# Allegro board T736_DEMO_DBOARD_V0-5-draft.brd (continued)
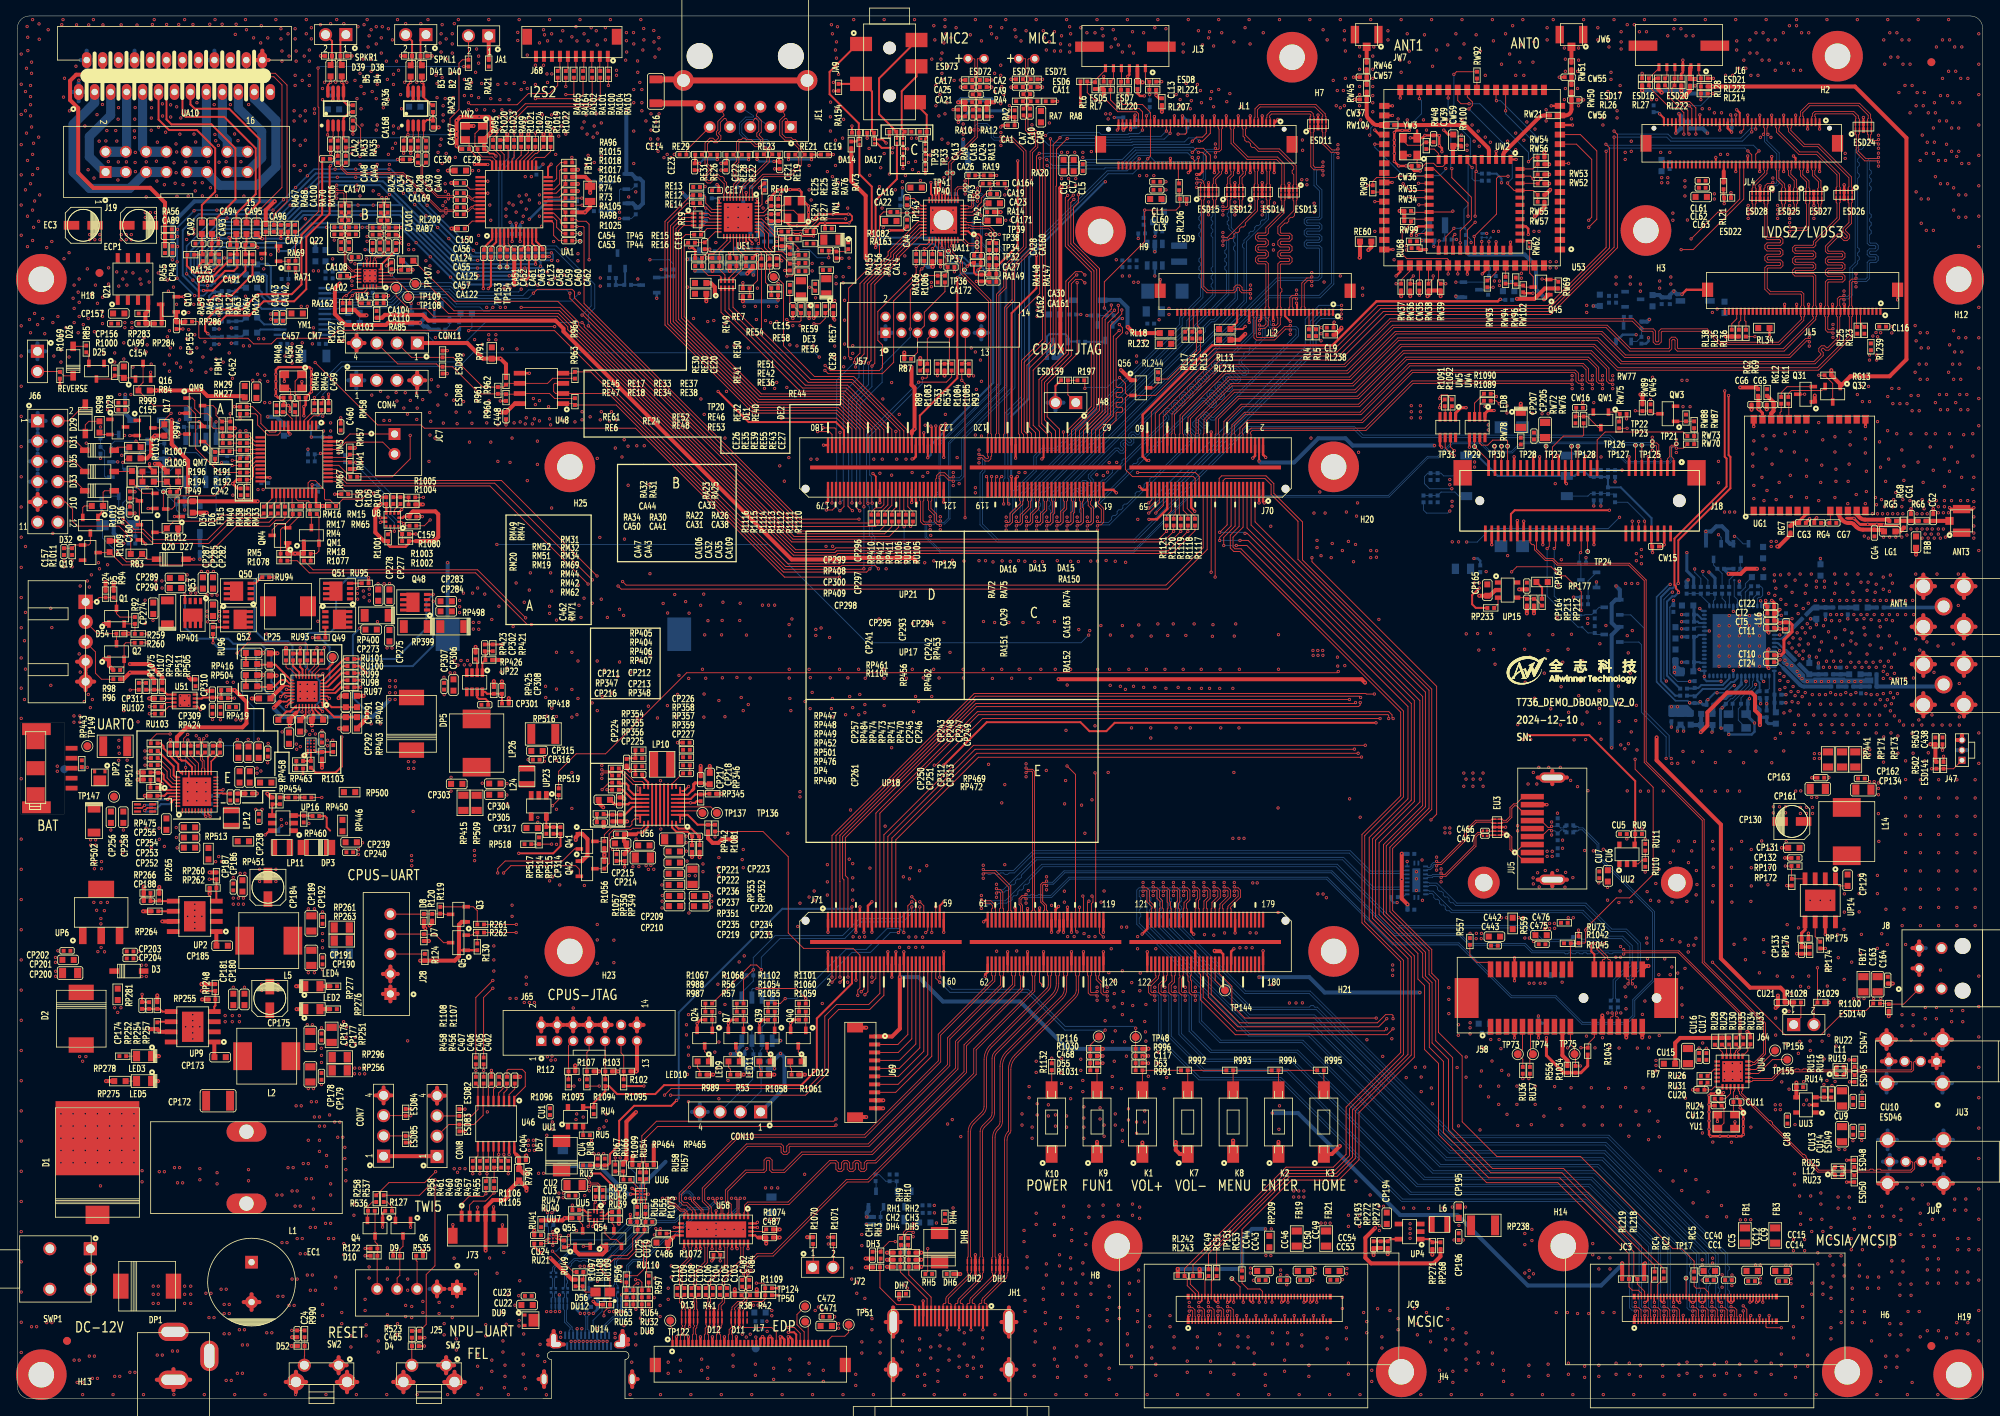
[diagram p0: board, top side]
## Nets (continued)
N19421372: CE14.1 JE1.9(VCC)
N19426609: K1.2 R991.2 R992.1
N19426617: K8.2 R993.2 R994.1
N19426627: K2.2 R994.2 R995.1
N19426637: K7.2 R992.2 R993.1
N19426641: K3.2 R995.2
N19458872: CA8.2 RA2.2 RA4.2
N19458897: CA8.1 RA7.2 RA8.2
N19459092: CA20.2 RA9.2 RA10.2
N19459118: CA20.1 RA12.2 RA13.2
N19462537: CA31.2 CA32.1 CA33.2 RA22.1 RA23.1
N19462549: CA41.2 CA43.1 CA44.2 RA30.1 RA31.1
N19462627: CA44.1 CA47.1 CA50.1 RA32.1 RA34.2
N19462788: CA33.1 CA35.1 CA38.1 RA25.1 RA26.2
N19487538: J58.A13(REFCLKP) R1035.2
N19487540: J58.A14(REFCLKN) R1036.2
N19487589: J58.B10(3.3VAUX) R556.1
N19487634: J58.A1(PRSNT1#) R557.2
N19571653: CA106.1 UA3.8(VREF)
N19681926: CA34.1 UA2.2(BYPASS)
N19681928: CA40.1 RA28.1
N19681938: CA167.1 RA28.2 RA29.1 UA2.4(IN-)
N19681971: CA39.1 CA169.1 RA27.1
N19681973: RA27.2 UA2.3(IN+)
N19682065: CA49.1 CA168.1 RA35.1
N19682067: CA42.1 UA4.2(BYPASS)
N19682069: RA35.2 RA36.1 UA4.4(IN-)
N19682113: RA33.2 UA4.3(IN+)
N19682135: CA48.1 CA170.1 RA33.1
N19682166: JA1.1 RA21.1
N19686641: B2.2 D40.2(CATHODE) SPKL1.1
N19686661: B3.2 D41.2(CATHODE) SPKL1.2
N19686663: B4.2 D38.2(CATHODE) SPKR1.1
N19686673: B5.2 D39.2(CATHODE) SPKR1.2
N19770024: C155.2 D28.3 Q17.1(B) R999.1
N19770563: C157.2 D32.3 Q19.1(B) R1011.1
N19771083: C154.2 D25.3 Q16.1(B) R1000.1
N19774875: D24.C D27.2 R83.1
N19774889: C153.1 D24.A Q15.1(B) R82.2
N19775361: C156.2 D30.3 Q18.1(B) R1008.1
N19775460: C160.2 D34.3 Q20.1(B) R106.1
N19779918: C405.2 U46.1(C1+)
N19779920: C405.1 U46.3(C1-)
N19779922: C406.2 U46.4(C2+)
N19779933: C407.2 U46.6(V-)
N19779951: C406.1 U46.5(C2-)
N19779972: C402.1 U46.2(V+)
N19779989: R459.1 U46.12(R1OUT)
N19779991: R460.1 U46.11(T1IN)
N19780033: R461.1 U46.10(T2IN)
N19780058: R958.1 U46.9(R2OUT)
N19825540: R1001.2 U8.11(PS)
N19825553: R104.2 R105.2 R1004.1 R1005.1
N19825554: R1002.2 R1003.2 U8.1(SDO)
N19829526: C457.2 RM50.1 YM1.3(XOUT)
N19831822: QM7.1(B) RM19.1 RM20.2
N20102372: CH6.1 QH4.1(G) RH20.1 RH22.2
N20102384: CH4.2 CH5.2 DH9.1 QH4.3(D) RH21.1
N20102505: QH5.3(C) RH22.1
N20201215: Q7.1(B) R56.2 R57.2
N20201255: LED9.2(C) Q7.3(C)
N20201276: LED9.1(A) R53.1
N20203968: C438.2 J47.3(VCC) R503.1
N20204246: Q24.1(B) R987.2 R988.2
N20204286: LED10.2(C) Q24.3(C)
N20204307: LED10.1(A) R989.1
N20295184: LED5.1(A) RP275.1
N20295185: LED2.1(A) RP276.1
N20295186: LED3.1(A) RP278.1
N20295187: LED4.1(A) RP277.1
N20295462: FB10.2 RT10.1
N20295497: D26.1 R85.2
N20295509: D25.2 R85.1
N20295552: D30.2 R1007.1
N20295566: D31.1 R1007.2
N20295584: D35.1 R1013.2
N20295596: D34.2 R1013.1
N20295618: D32.2 R1010.1
N20295635: D33.1 R1010.2
N20295656: D29.1 R998.2
N20295682: D28.2 R998.1
N20295748: CP173.1 UP9.1(BS)
N20295781: Q10.3(C) RP284.1
N20295782: CP155.1 Q10.1(B) RP286.1
N20441672: RM31.2 UM3.14(PA4/USART2_CK/SPI1_NSS)
N20490806: CA58.1 UA1.9(AOUT1L)
N20490812: CA59.1 UA1.10(AOUT1R)
N20490816: CA60.1 UA1.11(AOUT2L)
N20490824: CA62.1 UA1.12(AOUT2R)
N20492590: RA97.2 UA1.28(SDIN1)
N20492593: RA96.2 UA1.23(SDOUT1)
N20492596: RA95.2 UA1.34(LRCK1)
N20492599: RA99.2 UA1.31(BICK1)
N20492605: RA98.2 RA105.2 UA1.16(PDN)
N20545610: CA123.2 UA1.5(VCOM)
N20680799: QM9.1(B) RM49.2 RM51.1 RM52.2
N20689829: R1025.1 UA1.15(DZF/SDOOUT2/RDY)
N20736023: JL4.65(P65) RL214.1
N20973440: QW2.1(B) RW79.1 RW82.2
N20973512: QW1.1(B) RW75.1 RW77.2
N21159841: C446.2 J58.B14(TXP)
N21159878: C447.2 J58.B15(TXN)
N21176642: J64.1 R1028.1
N21178365: K9.2 R1031.2
N21429334: CA100.1 RA68.1 RA70.2 RA106.1 UA10.22(MUTE)
N21432724: CP188.2 CP189.1 CP190.1 CP191.2 CP192.2 L5.2 RP261.1 RP263.1 RP266.2 RP299.1 RP300.1
N21580363: JL7.1(40_WP) TP122.1(TP)
N21580376: JL7.22(19_BIST) TP123.1(TP)
N21580535: JL7.40(1_GP01) TP51.1(TP)
N21580558: JL7.34(7_SDA) TP124.1(TP)
N21580561: JL7.35(6_SCL) TP50.1(TP)
N21619013: LU6.4 RU51.1 RU53.2
N21619068: LU6.3 RU50.1 RU52.2
N21619152: CU18.2 RU38.2 UU5.1(VCC)
N21619154: CU24.2 RU41.1 UU7.C1(VDD)
N21714047: Q22.1(B) RA69.1 RA71.2
N21965042: RM69.2 UM3.17(PA7/SPI1_MOSI)
N22129963: QW3.1(B) RW87.1 RW88.2
N22132037: CP244.2 UP18.16(REGN)
N22132064: DP3.1 LP11.2 UP16.1(SW)
N22132067: RP454.1 RP458.1 UP16.4(EN)
N22132074: RP450.2 RP460.1 UP16.3(FB)
N22132077: CP239.2 CP240.2 DP3.2 RP446.2 RP450.1
N22132080: RP459.1 UP16.6(NC)
N22132110: CP260.2 RP484.2 UP18.27(VCONN)
N22132190: RP453.1 RP462.2 UP17.C1(OVLO)
N22132203: CP312.1 CP313.1 RP469.2 UP18.17(VMID1) UP18.18(VMID2)
N22132221: CP259.1 RP475.5(SRN) UP18.37(CSN)
N22132224: CP255.1 RP475.1(IN1) RP475.3(IN2) UP18.1(BAT5) UP18.2(BAT4) UP18.3(BAT3) UP18.39(BAT2) UP18.40(BAT1)
N22132227: CP259.2 RP475.2(SRP) UP18.38(CSP)
N22132254: RP491.1 UP18.8(NC3)
N22132255: RP492.1 UP18.9(NC4)
N22132271: CP250.1 CP251.2 LP12.1 UP18.10(SW1) UP18.11(SW2) UP18.12(SW3) UP18.13(SW4) UP18.14(SW5)
N22132281: CP250.2 UP18.15(BTST)
N22132296: RP470.2 UP18.23(DP)
N22132297: RP471.2 UP18.24(DM)
N22132299: RP490.2 UP18.36(TS)
N22132301: CP251.1 RP472.1
N22132398: CP246.1 UP18.21(NC(VAC))
N22132400: CP245.1 UP18.22(NC(OVP))
N22323733: J18.17(RI) RW73.1
N22344821: LED8.1(A) RW78.2
N22345920: J18.31(DTR) RW76.1
N22346232: J18.20(4G-DISABLE/NC) TP24.1(TP)
N22346818: J18.13(UART_TX) TP126.1(TP)
N22346864: J18.11(UART_RX) TP125.1(TP)
N22347105: J18.23(UART_CTS) TP127.1(TP)
N22347115: J18.25(UART_RTS) TP128.1(TP)
N22348557: J18.33(NC/4G_RESET) TP27.1(TP)
N22439362: RU55.1 UU6.C1(CC1)
N22439364: RU56.1 UU6.A1(CC2)
N22446567: DP4.2 UP18.35(CHGLED)
N22477760: RU58.1 UU6.B3(SCL)
N22477763: RU57.1 UU6.C3(SDA)
N22477846: RU59.1 UU6.B2(INT_N)
N22983617: RP345.2 RP346.1 U56.6(EN/UVLO)
N22984469: CP213.1 RP347.1 RP348.1 U56.22(TVSP)
N22984485: CP216.1 RP347.2
N22987247: CP221.2 CP222.2 CP236.2 CP237.2 RP351.1 RP353.2 U56.11(OUT)
N22987298: CP223.2 RP352.1 U56.29(CSN/BUS)
N22987301: CP223.1 RP353.1 U56.28(CSP)
N22987902: LP10.1 RP354.1 RP355.1 RP356.2 U56.14(SW1)
N22987911: LP10.2 RP357.1 RP358.1 RP359.1 U56.12(SW2)
N22987974: CP224.1 RP354.2 RP355.2
N22988287: CP225.1 RP356.1
N22988536: CP226.1 RP357.2 RP358.2
N22988714: CP227.1 RP359.2
N23044934: DL3.1 LL1.2 UL1.1(LX)
N23044984: RL224.2 UL1.3(FB)
N23045015: CL68.2 CL69.2 LL1.1 RL226.2 UL1.6(VIN)
N23045095: RL227.2 RL228.2 UL1.4(EN)
N23087687: RP404.2 U56.18(GPIO8/PA_DP)
N23087708: RP405.2 U56.17(GPIO7/PA_DM)
N23087828: RP407.2 U56.20(PA_CC1)
N23087831: RP406.2 U56.19(PA_CC2)
N23169507: ESD45.2(CATHODE) JU3.2(D-) L11.4 RU19.2
N23169508: ESD47.2(CATHODE) JU3.3(D+) L11.3 RU22.2
N23169528: ESD50.2(CATHODE) JU4.2(D-) L12.4 RU23.2
N23169529: ESD48.2(CATHODE) JU4.3(D+) L12.3 RU25.2
N23225390: J25.3 R535.2
N23225407: D9.2(CATHODE) J25.4 Q6.3(D)
N23225411: D10.2(CATHODE) J25.5 Q4.3(D) R122.1 R536.2
N23225519: Q4.2(S) R258.1 R536.1
N23225586: Q6.2(S) R127.2 R537.1
N23229128: Q39.1(B) R1054.2 R1055.2
N23229168: LED11.2(C) Q39.3(C)
N23229189: LED11.1(A) R1058.1
N23229204: Q40.1(B) R1059.2 R1060.2
N23229233: LED12.2(C) Q40.3(C)
N23229265: LED12.1(A) R1061.1
N23258675: RW92.2 U53.24(SLOW_CLK_32K)
N23258767: RW93.2 U53.59(WL_EN)
N23258775: RW94.2 U53.60(BT_EN)
N23263833: C163.1 C164.1 FB17.2 J8.2(VCC)
N23264918: J68.5 RA102.2
N23264955: J68.3 RA100.2
N23264967: J68.4 RA101.2
N23264979: J68.1 RA103.1
N23264991: J68.2 RA104.1
N23292340: CA144.1 CA145.1 U57.10(FILT)
N23292571: CA165.2 RA136.2 RA137.2
N23292575: CA166.2 RA135.2 RA138.2
N23292599: CA146.2 RA117.2 RA121.2
N23292601: CA148.2 RA118.2 RA120.2
N23292656: CA149.2 RA119.2 RA122.2
N23292678: CA150.2 RA116.2 RA123.2
N23292773: Q47.1(B) RA132.2 RA143.2 RL237.2
N23292995: CA138.1 CA139.1 U57.11(VQ)
N23300990: C451.1 R965.2 U43.1(OSCI) Y5.2
N23301004: C450.1 R965.1 U43.2(OSCO) Y5.1
N23302031: BT4.2(+) R1032.1
N23323640: CA160.2 RA147.1
N23323642: CA28.2 RA148.1
N23324798: CA163.2 RA152.2
N23324800: CA29.2 RA151.2
N23523036: CA90.2 CA92.1 RA59.2 RA125.2
N23523040: CA91.2 CA93.1 RA61.2 RA124.2
N23523124: CA94.1 CA98.2 RA63.2 RA127.2
N23523128: CA95.1 CA97.2 RA64.2 RA126.2
N23532782: D1.2 EC1.1 L1.1 SWP1.1(ON)
N23596381: J72.1 R1070.1
N23597132: R1074.2 U58.40(XSD01)
N23597135: R1073.2 U58.20(XSD23)
N23636784: D4.2(CATHODE) R523.2 SW3.2
N23636814: D52.2(CATHODE) R990.2 SW2.2
N23786694: DP1.2(K) SWP1.2(COMMON)
N23810664: LW2.1 UW2.21(VIN_LDO_OUT)
N23810668: CW23.2 LW2.2 UW2.23(VIN_LDO)
N23810679: RW101.2 UW2.24(LPO)
N23810714: RW62.1 UW2.34(BT_RST_N)
N23810750: RW104.1 UW2.4(FM_RX)
N23810913: RW21.1 UW2.2(WL_BT_ANT)
N23815938: CC49.2 CC50.2 FB19.1 JC9.66(P66) JC9.68(P68) JC9.70(P70) JC9.72(P72)
N23815944: CC53.2 CC54.2 FB21.1 JC9.84(P84) JC9.86(P86) JC9.88(P88) JC9.90(P90)
N23815956: JC9.12(P12) RC49.2
N23816006: JC9.48(P48) RC53.2
N23816097: JC9.16(P16) RC51.2
N23844083: RU101.1 UP21.8(GATEB)
N23844097: RU97.1 UP21.4(GATEA1)
N23844099: RU98.1 UP21.5(INDTA1)
N23844101: RU99.1 UP21.6(GATEA2)
N23844103: RU100.1 UP21.7(INDTA2)
N23844111: TP129.1(TP) UP21.10(FB)
N23844128: RP504.2 U51.1(NC)
N23844140: CP309.2 RP419.1 RP424.2 U51.2(VBAT)
N23844142: CP310.2 RP416.1 RP504.1 U51.3(VCC)
N23844152: CP311.1 U51.6(RECAL)
N23844292: CP301.1 UP22.7(BS)
N23844294: CP301.2 LP26.1 UP22.6(LX)
N23844300: CP302.2 RP421.1 RP426.2 UP22.1(FB)
N23844330: CP308.1 RP418.1 RP425.2 UP22.8(EN)
N23844338: RP423.2 UP22.2(FS)
N23844694: CP299.1 RP408.1
N23844713: CP300.1 RP409.1
N23844808: CP273.2 Q49.5(D1) RP400.1 RP403.2
N23846021: Q50.4(G) RU94.2
N23846027: Q51.4(G) RU95.1
N23846039: Q52.4(G) RU96.1
N23859774: RA15.2 RA156.2 UA11.32(SCK)
N23859796: RA16.2 RA155.2 UA11.31(SDA)
N23860058: RA17.2 RA18.1 UA11.33(DEVID)
N23860144: CA14.2 UA11.34(VDD-CORE)
N23860176: CA15.1 UA11.22(CPVDD)
N23860178: CA22.1 UA11.23(CPP)
N23860180: CA16.1 UA11.16(VEE) UA11.20(CPVEE)
N23860186: CA22.2 UA11.21(CPN)
N23860239: CA19.1 CA23.1 CA171.1 RA11.2 RA14.2 UA11.6(AGND)
N23860247: CA23.2 UA11.7(VRP)
N23860249: CA19.2 RA11.1 UA11.8(VRA1)
N23860283: CA171.2 UA11.5(AVCC)
N23860353: CA26.1 RA19.1
N23860381: CA164.1 RA20.1
N23955200: JW7.3(TX/RX) RW46.2
N23955219: CW57.2 RW45.2 RW46.1
N23955323: JW6.3(TX/RX) RW51.2
N23955325: CW55.2 RW50.2 RW51.1
N23956549: CA61.1 TP153.1(TP)
N23956551: CA63.1 TP154.1(TP)
N23986900: CU12.1 RU24.2 YU1.3(XOUT)
N24060560: CG1.2 RG5.2 RG6.1 RG8.2
N24060562: RG11.2 UG1.20(TXD0)
N24060563: RG12.2 UG1.21(RXD0)
N24060583: ANT3.3(CENTER1) CG2.2 RG6.2
N24060598: LG1.2 RG8.1
N24105542: CP200.2 CP201.2 CP202.2 D2.2(K) UP6.1(VIN)
N24105600: CP203.2 CP204.2 D3.2 RP281.1 UP6.3(VOUT)
N24110289: CW39.1 RW48.2 YW3.3(XOUT)
N24136596: D56.1 RU108.1 RU109.1
N24164377: R73.1 UA1.17(SDA)
N24164378: R74.1 UA1.18(SCL)
N24164392: CA53.1 TP44.1(TP)
N24164393: CA54.1 TP45.1(TP)
N24164400: C152.1 Q12.1(G) R79.1 R80.2
N24164404: Q14.3(C) R80.1
N24164420: Q14.1(B) R81.2 R199.2
N24227962: TP46.1(TP) UT1.56(TEST_A)
N24228017: CT9.2 UT1.3(DAB3_IN)
N24228051: RT4.1 UT1.53(SPI_MOSI)
N24228053: RT3.1 UT1.54(SPI_CLK)
N24228100: CT31.2 FB13.2 UT1.24(GLOBAL_VCC)
N24228140: CT29.2 L23.1 UT1.20(PLL_VCC)
N24228160: CT27.2 CT28.2 L22.2 UT1.16(RF_VCC)
N24228221: CT8.2 FB10.1 RT9.2
N24228229: CT23.2 CT25.1 RT15.2
N24228231: CT14.2 CT26.1 FB11.1 UT1.35(VDD_IO-02) UT1.42(VDD_IO-01)
N24228241: CT17.1 UT1.8(FM1_IN)
N24228256: ANT4.1 CT15.1
N24228353: CT30.2 UT1.17(REF2)
N24228355: CT19.1 UT1.9(FM2_IN)
N24228368: CT6.2 CT7.2 RT9.1 UT1.45(VDD_R-02) UT1.46(VDD_R-01)
N24228385: L21.1 UT1.14(AM_IN)
N24228387: ANT5.1 CT20.1 CT23.1
N24228417: CT33.1 UT1.22(XTI) Y4.3
N24228419: CT32.1 UT1.21(XTO) Y4.1
N24228435: CT24.2 UT1.13(REF_AM)
N24228483: CT25.2 L21.2
N24228516: CT16.1 CT17.2 L17.1 RT11.1
N24228545: CT11.1 L16.2 UT1.5(FM1_VCC)
N24228560: CT13.2 CT16.2 L18.2
N24228562: CT15.2 L18.1
N24228564: CT20.2 L20.1
N24228625: CT18.1 CT19.2 L19.2 RT12.2
N24228645: CT18.2 CT21.2 L20.2
N24228760: CT4.2 UT1.59(DEC2_ADC)
N24228762: CT4.1 UT1.60(REF1_ADC)
N24228764: CT3.1 UT1.61(REF2_ADC)
N24228768: CT3.2 UT1.58(DEC1_ADC)
N24228772: CT1.1 L15.2 UT1.57(ADC_VCC)
N24228862: CT12.1 UT1.44(VREG_1V2)
N24386993: J68.6 RA164.2
N24386996: J68.7 RA165.2
N24801452: RM33.2 UM3.28(PB15/SPI2_MOSI)
N24801453: RM35.2 UM3.27(PB14SPI2_MISO/USART3_RTS)
N24801454: RM38.1 UM3.26(PB13/SPI2_SCK/USART3_CTS)
N24801455: RM40.1 UM3.25(PB12/SPI2_NSS/I2C2_SMBAL/USART3)
N24801457: RM41.2 UM3.41(PB5/I2C1_SMBAL//SPI1_MOSI)
N24801458: RM42.2 UM3.19(PB1/ADC12_IN9/TIM3_CH4)
N24801459: RM44.2 UM3.18(PB0/ADC12_IN8/TIM3_CH3)
N24801481: RM29.2 UM3.11(PA1/USART2_RTS)
N24801482: RM32.2 UM3.15(PA5/SPI1_SCK)
N24801483: RM34.2 UM3.16(PA6/SPI1_MISO)
N24801484: RM27.2 UM3.10(PA0/USART2_CTS/WKUP)
N24801485: RM46.1 UM3.4(PC15/OSC32_OUT)
N24801486: RM45.2 UM3.3(PC14/OSC32_IN)
N24801512: JC7.2 UM3.45(PB8/I2C1_SCL/CANRX)
N24801515: JC7.1 UM3.46(PB9/I2C1_SDA/CANTX)
N24875732: J70.139(P139) R1110.1
N24875765: J70.141(P141) R1111.1
N24875790: J70.143(P143) R1112.1
N24875815: J70.145(P145) R1113.1
N24875840: J70.147(P147) R1114.1
N24875865: J70.149(P149) R1115.1
N24875890: J70.151(P151) R1116.1
N24876066: J70.39(P39) R1117.1
N24876091: J70.41(P41) R1118.1
N24876117: J70.43(P43) R1119.1
N24876143: J70.45(P45) R1120.1
N24876169: J70.47(P47) R1121.1
N24909877: CP314.2 CP315.1 CP316.1 L24.2 RP515.1 RP516.1
N24909891: L24.1 UP23.3(LX)
N24909903: CP314.1 RP514.2 RP515.2 UP23.5(FB)
N24909907: RP517.1 RP518.1 RP519.1 UP23.1(EN)
N24956838: RU15.2 RU16.2 UU3.3(ISET)
N24966046: R1122.1 U59.1(RSVD1)
N24966049: R1123.1 U59.10(RSVD2)
N25086175: K10.2 R1132.2
N25294430: R191.1 R192.2
N25294432: C242.1 D36.3 R192.1 R193.2 R194.1 TP49.1(TP)
N25294440: R194.2 R196.1
N25403253: RP264.2 UP2.6(FS)
N25403259: CP185.1 L5.1 UP2.2(LX)
N25403271: CP188.1 RP265.2 RP266.1 UP2.5(FB)
N25403283: CP185.2 UP2.1(BS)
N25403341: CP193.2 CP195.1 CP196.1 L6.2 RP238.1 RP272.1
N25403351: L6.1 UP4.3(LX)
N25403367: RP268.1 RP271.1 UP4.1(EN)
N25403369: CP193.1 RP272.2 RP273.2 UP4.5(FB)
N26123481: CA96.2 UA10.16(AC-GND)
N26123483: CA89.1 RA55.1 RA56.2 UA10.4(ST-BY)
N26123504: CA95.2 UA10.15(IN3)
N26123506: CA94.2 UA10.14(IN4)
N26123508: CA93.2 UA10.12(IN2)
N26123512: CA92.2 UA10.11(IN1)
N26123523: EC3.1 UA10.10(SVR)
N26123853: Q22.3(C) RA67.1 RA68.2
N26176759: CA99.2 Q21.4(G) RP283.1 RP284.2
N194797707: TP155.1(TP) UU4.9(DM2)
N194797708: TP156.1(TP) UU4.10(DP2)
N232367771: CP225.2 U56.16(BOOT1)
N232372268: CP227.2 U56.10(BOOT2)
N237329190: DP4.1 RP476.2
N238454053: Q49.4(G) RU93.2

Pads without a net: D11 5 6; J1 3; J8 4 5; J10 11 12; J18 6 16 19 24 28 46 48; J57 3 12; J58 A5 A6 A7 A8 B9 B17; J65 3 12; J71 162 166; JC3 2 4 22 24 32 33 35 38 44 75 77 81 87 89; JC9 2 4 22 24 32 33 35 38 39 41 44 45 47 51 53 57 59 63 65 69 71 75 77 81 83 87 89; JH1 14; JL1 39 43 46 48 49 52 57 59; JL2 1 5 23 24 26 27 28 29 30 34; JL4 46 48 49 52 53 55 57 59; JL5 1 5 23 24 26 27 28 29 30 34; JL7 41 42; NOREF#2 1; NOREF#3 1; NOREF#6 1; NOREF#8 1; NOREF#9 1; NOREF#10 1; NOREF#11 1; NOREF#12 1; SWP1 3 4 5; U8 10; U43 7; U53 2 6 7 8 9 11 17 18 19 20 23 28 29 31 38 39 40 44 45 46 47 57; U56 1 9 23 24; UA1 22 46 47; UA10 25; UG1 1 2 3 4 5 6 14 15 16 17 18 19; UM3 2 12 13 21 22 29 32 33; UP2 8; UP9 8; UP14 8; UT1 18 28 29 30 31 32 34 36 37 38 39 40 41 47 51 52; UU4 2 19 22 23 24; UW2 5 8 32 35 37 38 39 40

## Via types
v1: diameter 0.406, hole 0.203, TOP to BOTTOM, 6378 vias

## Routing (per net, layer and track width the routed paths; a pad name or vN(x,y) marks a point on that pad's centre or on a via; arc(x,y) is an arc through that point)
3V3-STBY: length 23.6
  TOP w0.508: FB15.1 v1(23.72,111.05)
  L4 w0.508: v1(23.72,111.05) 24.79,112.12 24.79,115.19 23.8,116.18 23.8,124.66 v1(26.47,127.33)
  BOTTOM w0.508: v1(13.51,125.86) 13.51,123.5 D45.1
  vias: v1(12.19,49) v1(12.57,48.41) v1(12.83,125.86) v1(12.98,49) v1(14.22,125.86) v1(26.95,127.89) v1(208.53,127.64) v1(209.17,127.64)
+3V3A: length 21.2
  TOP w0.508: v1(218.3,84.43) 218.3,85.66 217.69,86.27 217.69,88.05 217.24,88.49 214.2,88.49 211.72,86.02 211.72,84.37 v1(210.89,83.54)
  BOTTOM w0.381: L22.1 219.35,84.61 219.15,84.81 CT37.1 L23.2
  BOTTOM w0.508: CT36.1 209.67,84.43 FB12.2 ; CT36.1 210.94,83.59 v1(210.89,83.54) ; CT36.1 FB13.1 ; L23.2 218.26,85 218.3,84.96 v1(218.3,84.43)
+3V3D: length 5.9
  TOP w0.508: v1(214.38,103.38) 215.9,103.38 216.53,104.01 v1(217.93,104.01)
  BOTTOM w0.381: RT7.2 RT8.2 213.81,103.94 v1(214.38,103.38)
  vias: v1(207.21,86.72) v1(207.59,91.67) v1(207.59,91.03) v1(207.97,86.72) v1(218.82,104.01)
AVCC: length 48
  TOP w0.305: v1(110.55,52.83) J71.38
  TOP w0.508: J69.1 109.58,45.39 110.55,46.37 v1(110.55,52.83) ; R1030.1 v1(135.99,43.84) ; R996.1 v1(141.7,43.85)
  BOTTOM w0.508: v1(110.55,52.83) 112.9,52.83 115.95,49.78 125.6,49.78 131.55,43.84 v1(135.99,43.84) 141.69,43.84 v1(141.7,43.85)
AVDD10: length 1.5
  TOP w0.203: UE1.8 v1(89.3,151.17) ; UE1.3 v1(91.3,151.17)
  vias: v1(93.42,149.22)
AVDD33: length 1.9
  TOP w0.203: UE1.11 v1(87.91,150.37)
  TOP w0.254: UE1.40 v1(92.68,150.29)
  BOTTOM w0.254: v1(87.91,150.37) 87.83,150.45 CE1.2
DVDD10:
  vias: v1(87.5,144.91)
DVDD33: length 1.1
  TOP w0.203: v1(92.05,144.75) 92.05,144.93 91.7,145.29 UE1.29
  vias: v1(81.92,149.48) v1(99.57,142.29) v1(99.57,141.35) v1(100.81,142.29)
DVDD-CSI:
  vias: v1(158.25,16.12) v1(158.25,15.54) v1(188.85,15.75) v1(189.4,16.08) v1(189.38,15.23) v1(189.93,15.65) v1(213.56,15.52) v1(213.56,13.97)
DVDDRG: length 24.9
  TOP w0.203: v1(91.44,144.91) 91.3,145.05 UE1.28
  TOP w0.254: RE53.2 v1(95.29,137.69)
  TOP w0.508: v1(91.44,141.02) 92.12,141.7 RE38.2 ; RE18.2 v1(87.08,141.35) ; RE48.2 v1(90.89,137.54) ; RE34.2 v1(89.24,141.35)
  L4 w0.508: v1(91.44,144.91) v1(91.44,141.02) 91.44,140.26 91.82,139.88 91.82,138.47 v1(90.89,137.54)
  BOTTOM w0.508: v1(95.29,137.69) 95.14,137.54 v1(90.89,137.54) ; v1(91.44,141.02) 90.68,141.02 90.35,141.35 v1(89.24,141.35) v1(87.08,141.35) v1(84.89,141.35) ; RE8.1 85.6,147.02 v1(85.6,146.56)
GND: length 2869
  TOP w0.203: JC9.64 v1(159.17,12.09) ; v1(66.23,19.85) 66.45,20.07 UU7.C2 ; JC9.18 149.97,12.3 150.18,12.09 150.38,12.09 v1(150.41,12.07) 150.41,12.76 JC9.20 ; v1(214.68,10.44) 214.66,10.41 JC3.61 ; JC3.62 214.66,12.36 v1(214.68,12.07) ; v1(93.85,147.9) 94.06,147.9 94.35,147.61 CE24.1 ; v1(97.18,146) v1(98.09,146) 98.38,145.71 v1(99.74,145.71) ; v1(212.28,12.07) 212.26,12.09 JC3.50 ; v1(149.21,12.07) 149.17,12.1 JC9.14 ; JC9.67 v1(159.97,10.41) ; JC9.50 v1(156.38,12.09) ; JC3.31 208.66,10.41 v1(208.69,10.44) ; JC9.76 161.57,12.29 161.37,12.09 v1(161.18,12.09) JC9.74 ; v1(104.11,148.46) 104.32,148.46 104.57,148.21 104.57,147.75 v1(104.19,147.37) ; v1(214.68,12.07) 214.49,12.07 214.25,12.3 JC3.60 ; v1(214.68,12.07) 214.85,12.07 215.05,12.27 JC3.64 ; JC9.80 162.37,12.29 162.17,12.09 v1(161.98,12.09) JC9.78 ; v1(213.49,12.07) 213.26,12.07 213.06,12.27 JC3.54 ; UA3.9 v1(43.77,142.88) ; JC3.30 v1(208.25,12.05) 208.13,12.05 207.86,12.32 JC3.28 ; v1(211.09,10.44) 211.06,10.41 JC3.43 ; v1(148,12.07) 148.17,12.07 148.37,12.27 JC9.10 ; UU5.6 72.24,21.75 v1(72.09,21.59) ; JC3.10 204.25,12.32 204,12.07 v1(203.88,12.07) ; JC3.26 207.45,12.1 v1(207.49,12.07) ; v1(21.34,77.22) 21.48,77.36 UP18.28 ; v1(205.09,12.07) 205.05,12.1 JC3.14 ; JC9.7 147.98,10.41 v1(148,10.44) ; JC3.76 217.45,12.3 217.24,12.09 v1(217.06,12.09) JC3.74 ; JC9.36 v1(153.58,12.09) ; JC9.61 v1(158.78,10.41) ; v1(149.21,10.44) 149.17,10.41 JC9.13 ; JC3.78 v1(217.86,12.09) 218.05,12.09 218.25,12.29 JC3.80 ; CE29.1 58.64,156.59 59.16,156.06 59.66,156.06 v1(59.96,155.74) ; JC3.82 v1(218.66,12.09) ; v1(151.61,10.44) 151.57,10.41 JC9.25 ; JC3.67 v1(215.85,10.41) ; v1(209.89,10.44) 209.85,10.41 JC3.37 ; v1(205.09,10.44) 205.05,10.41 JC3.13 ; v1(207.49,10.44) 207.45,10.41 JC3.25 ; JC9.73 v1(161.18,10.41) ; JC3.7 203.86,10.41 v1(203.88,10.44) ; JC3.20 206.26,12.09 v1(206.29,12.07) 206.06,12.07 205.85,12.27 JC3.18 ; JC3.55 213.45,10.41 v1(213.49,10.44) ; JC3.40 210.26,12.27 210.05,12.07 v1(209.89,12.07) 209.73,12.07 209.46,12.34 JC3.36 ; JC3.42 210.65,12.27 210.86,12.07 v1(211.09,12.07) 211.25,12.07 211.46,12.27 JC3.46 ; JC3.73 217.06,10.33 v1(217.14,10.41) ; JC9.31 v1(152.78,10.41) ; JC9.43 v1(155.18,10.41) ; JC9.62 158.78,12.29 158.57,12.09 v1(158.37,12.09) JC9.60 ; v1(206.29,10.44) 206.26,10.41 JC3.19 ; JC9.26 151.57,12.1 v1(151.61,12.07) 151.77,12.07 151.98,12.27 JC9.28 ; JC9.30 v1(152.37,12.09) ; v1(212.28,10.44) 212.26,10.41 JC3.49 ; v1(150.41,10.44) 150.38,10.41 JC9.19 ; JC3.85 v1(219.46,10.41) ; JC9.55 v1(157.57,10.41) ; JC9.46 v1(155.57,12.09) ; JC9.82 v1(162.78,12.09) ; JC9.49 v1(156.38,10.41) ; JC9.42 v1(154.77,12.09) 154.59,12.09 154.38,12.3 JC9.40 ; JC9.85 v1(163.58,10.41) ; JC3.79 v1(218.25,10.41) ; JC9.54 v1(157.18,12.09) ; JC9.79 v1(162.37,10.41) ; JC9.37 v1(153.97,10.41)
  TOP w0.254: v1(58.93,152.59) UA1.38 ; JL4.14 222.77,155.49 v1(222.5,155.75) ; JH1.11 v1(116.47,8.64) ; CL9.1 164.89,134.85 v1(164.97,134.92) ; v1(215.39,37.85) 215.39,37.76 215.82,37.33 CU11.2 ; v1(225.06,149.56) 225.04,149.58 ESD27.8 ESD27.3 ; ESD24.3 ESD24.8 v1(231.27,160.58) ; U58.38 v1(91.53,18.8) ; JL4.38 v1(216.77,155.75) ; v1(162.94,160.88) ESD11.8 ESD11.3 ; UU6.C2 v1(79.04,25.63) ; v1(90.17,18.8) 90.03,18.94 U58.35 ; U58.42 92.57,21.96 v1(92.71,22.1) ; JL4.8 v1(224.27,153.8) ; DA14.1 v1(104.55,159.51) ; CE15.1 99.74,146.55 100.54,147.35 v1(101.18,147.35) 104.17,147.35 v1(104.19,147.37) ; JL4.61 v1(210.77,160.91) ; JL4.25 v1(219.77,160.87) ; JL4.41 215.77,161.16 v1(215.39,161.54) ; v1(99.59,147.65) v1(100.41,148.46) v1(102.16,148.46) v1(104.11,148.46) ; JL1.79 137.95,159.15 v1(137.79,159) ; J58.A12 197.56,55.68 197.18,56.06 v1(197.18,57.02) ; JL4.54 v1(212.77,155.57) ; JL4.26 v1(219.77,155.68) ; v1(159.47,135.03) 158.81,135.68 JL2.13 ; CA103.2 42.9,137.28 42.65,137.54 v1(42.65,138.23) ; R1045.2 v1(195.58,58.72) ; U58.29 v1(87.03,18.8) ; JL4.2 v1(225.77,153.8) ; v1(116.26,122.17) 116.26,121.42 116.05,121.21 J70.122 ; JH1.2 v1(120.97,8.64) ; JL4.19 v1(221.27,160.87) ; v1(102.23,163.91) 102.84,163.91 RA154.1 ; JH1.5 v1(119.47,8.64) ; JH1.8 v1(117.97,8.64) ; JL4.51 v1(213.27,159) ; UA1.41 v1(58.93,151.09) ; U58.22 v1(83.53,18.8) ; UA1.24 66.48,154.34 v1(66.87,154.73) ; JL4.79 206.27,160.5 v1(205.74,161.04) ; JL2.10 160.31,137.25 v1(160.25,137.32) ; v1(121.06,59.77) 121.32,60.03 J71.61 ; JL4.31 v1(218.27,160.87) ; JL2.25 152.81,134.91 RL13.1 153.49,134.06 v1(153.82,134.39) ; U58.25 v1(85.03,18.8) ; v1(183.51,140.97) 184.04,141.5 U53.58 ; v1(41.78,142.49) 41.89,142.6 CA108.2 ; UA1.7 v1(62.48,147.32) ; JL4.73 v1(207.77,158.62) ; v1(35.71,80.58) 36.03,80.58 36.37,80.92 UP17.A1 ; RP346.2 85.1,74.89 84.88,74.67 v1(84.34,74.67) U56.5 ; JL4.7 v1(224.27,159.13) ; JL5.22 v1(222.9,137.16) ; JL4.20 v1(221.27,153.8) ; JL4.13 v1(222.77,160.87) ; v1(186.44,71.63) EU3.3 EU3.8 ; J48.2 130.05,126.94 ESD139.1 ; JL4.37 v1(216.77,160.87) ; JL4.44 v1(215.27,153.8) ; JL4.1 v1(225.77,159.13) ; v1(94.74,144.27) 94.93,144.46 RE49.1 ; JL5.19 v1(224.4,137.16) ; JL4.32 v1(218.27,153.8) ; CA172.2 v1(117.39,141.24)
  TOP w0.305: CA2.2 v1(124.47,164.39) ; v1(34.16,120.9) 33.92,121.15 UM3.8 ; v1(218.31,152.02) ESD28.3 ESD28.8 ; J71.82 v1(126.55,56.01) ; J71.119 v1(136.05,58.46) ; v1(175.74,153.87) 174.98,153.87 174.68,154.17 CW36.2 v1(173.96,154.51) v1(173.05,154.51) v1(172.49,155.07) v1(172.49,156.07) v1(172.49,157.07) v1(172.49,157.74) v1(172.49,158.7) 172.75,158.95 v1(173.47,158.95) v1(174.39,158.95) ; v1(95.3,139.78) 95.29,139.77 RE46.1 ; J18.40 v1(188.71,109.98) ; UW5.5 178.22,119.47 v1(178.44,119.25) ; v1(125.27,115.57) 125.05,115.35 J70.105 ; JL7.17 v1(90.07,7.75) ; R57.1 89.52,47.5 v1(89.06,47.04) Q7.2 ; YW3.2 175.35,158.96 ; YW3.2 176.02,158.02 v1(176.33,158.34) CW39.2 178.11,158.34 v1(178.13,158.32) v1(178.13,157.05) 178.46,156.72 v1(178.46,156.29) ; YW3.2 v1(174.5,158.02) ; CW15.2 206.08,106.81 v1(206.31,107.03) J18.4 ; J71.40 v1(111.05,56.01) ; R1072.1 87.21,17.48 v1(87,17.27) ; CA101.2 46.78,142.41 46.48,142.11 46.35,142.11 v1(46.23,141.99) ; D32.1 10.09,110.55 v1(10.67,111.12) ; v1(208.65,167.77) JL6.3 208.65,166.23 208.45,166.03 ESD20.1 ; JL1.54 v1(144.45,155.45) ; v1(109.25,146.43) 110.96,146.43 CA4.2 ; v1(16.07,107.12) 15.55,107.64 Q20.2 ; UM3.23 31.59,115.48 v1(31.64,115.42) ; JL7.25 94.07,7.61 v1(94.28,7.82) 94.57,7.54 JL7.26 ; J18.37 v1(189.91,118.05) ; v1(211.93,36.87) 212.06,36.73 CU12.2 ; v1(211.93,36.87) v1(211.93,38.02) 212.15,38.24 v1(212.76,38.24) 213.63,38.24 v1(213.74,38.35) ; v1(211.93,36.87) v1(211.93,35.94) v1(211.93,34.81) v1(211.93,33.77) 211.93,33.11 v1(212.14,32.89) v1(213.3,32.89) v1(214.34,32.89) v1(215.35,32.89) 216,32.89 v1(216.22,33.11) v1(216.22,34.12) v1(216.22,35.04) v1(216.22,36.06) v1(215.82,36.46) CU11.2 ; RA13.1 v1(122.12,160.71) ; U46.15 v1(61.6,30.61) ; U8.4 47.72,111.01 v1(48.16,111.44) ; C462.1 27.57,114.09 v1(26.97,114.68) 27.48,115.19 RM62.2 ; v1(157.35,135.15) 157.31,135.19 JL2.16 ; v1(39.75,113.37) 40.59,113.37 RM67.2 ; R987.1 85.61,47.5 v1(85.16,47.04) Q24.2 ; UM3.35 v1(36.92,114.55) ; RA8.1 v1(130.32,162.61) ; ESD9.1 v1(146.47,149.71) ; U53.32 v1(173.24,163.02) ; v1(140.91,58.23) 141.55,58.88 J71.121 ; J70.2 156.05,118.32 v1(156.39,117.98) ; v1(16.56,117.17) 16.56,116.74 R196.2 ; J70.37 147.05,111.7 147.5,111.25 v1(147.5,111.23) ; J70.179 101.55,112.48 v1(101.35,112.27) ; J58.B7 v1(190.56,45.21) ; JL1.26 v1(151.45,153.67) ; DA17.1 v1(106.46,157.99) ; ESD71.1 v1(128.43,165.37) ; R42.1 v1(95.38,12.95) ; v1(149.22,152.4) ESD15.8 ESD15.3 ; J71.75 125.05,61.46 v1(124.97,61.54) ; ESD82.1 v1(56.08,36.29) ; v1(35.43,94.11) RP411.1 RP412.1 ; CE20.1 95.46,142.92 v1(95.76,142.62) ; v1(222,152.02) ESD25.3 ESD25.8 ; JL1.2 v1(157.45,153.67) ; U53.14 v1(194.82,159.63) ; v1(34.16,123.74) 34.16,124.29 v1(33.95,124.5) C456.2 33.36,124.59 C457.1 32.64,125.48 v1(32.38,125.73) v1(32.38,126.49) v1(32.38,127.51) v1(32.38,128.4) 32.38,128.94 32.73,129.29 36.58,129.29 v1(36.83,129.03) v1(36.83,128.02) v1(36.83,127) v1(36.83,126.19) CM7.1 36.11,124.55 v1(35.9,124.33) v1(35.9,123.19) ; RE59.1 v1(101.18,147.35) ; JL7.8 v1(85.57,7.75) ; v1(156.21,112.27) 156.05,112.42 J70.1 ; J18.18 v1(197.51,107.03) ; v1(172.72,140.72) 173.24,141.24 U53.49 ; YU1.4 v1(215.17,34.7) ; J71.62 121.55,53.48 121.26,53.19 v1(121.26,52.93) ; ESD50.1 v1(229.16,27.14) ; v1(112.04,112.32) 112.05,112.33 J70.137 ; R1071.1 v1(101.52,20.24) ; JL1.1 v1(157.92,160.34) ; JL3.3 139.31,165.94 v1(139.1,165.74) ESD7.1 ; JH1.17 v1(113.47,12.25) ; J18.9 v1(204.31,118.05) ; v1(46.51,138.25) 46.43,138.18 CA104.2 45.89,138.17 CA110.2 ; CA168.2 v1(42.04,158.5) ; R1055.1 93.43,47.5 v1(92.97,47.04) Q39.2 ; U8.8 v1(45.47,110.4) ; JL1.61 v1(142.45,160.69) ; Q16.2 v1(16.7,128.65) ; J70.60 v1(141.55,121.16) ; v1(34.84,141.1) RA71.1 ; CW59.2 179.25,158.45 v1(178.69,159) ; JL1.47 v1(145.95,160.78) ; CP245.2 CP246.2 v1(25.4,82.58) ; JL1.7 v1(155.95,160.78) ; J18.15 v1(201.91,118.05) ; v1(146.69,153.67) 146.95,153.93 JL1.44 ; U53.41 v1(172.22,152.43) ; v1(92.71,143.38) 92.52,143.38 RE37.1 ; YU1.2 v1(212.97,34.75) ; J71.59 v1(116.05,58.46) ; C448.2 v1(61.21,122.05) ; Q10.2 v1(20.83,138.11) ; J71.93 v1(129.55,58.46) ; RM20.1 v1(24.77,117.22) ; JL5.13 v1(227.4,137.16) ; CA17.2 v1(118.14,164.39) ; RE33.1 v1(89.24,143.64) ; v1(194.06,114.68) 193.91,114.83 J18.27 ; CW55.1 v1(193.17,165.63) ; ESD5.1 v1(136.1,165.74) ; JL7.11 v1(87.07,7.75) ; v1(147.75,153.44) 148.11,153.44 148.45,153.78 JL1.38 ; CW57.1 v1(167.39,165.63) ; v1(140.58,114.31) 140.98,113.91 J70.59 ; C242.2 19.98,113.71 v1(20.45,114.17) ; CE28.1 v1(103.3,142.93) ; JC9.1 146.67,10.31 v1(146.81,10.44) ; J71.23 v1(107.05,58.46) ; UW2.31 v1(185.25,145) ; v1(128.55,56.01) J71.90 ; CP261.1 18.14,77.11 v1(18.14,77.06) ; JL1.73 v1(139.45,159.03) ; v1(116.05,117.98) J70.122 ; J71.15 v1(105.05,58.46) ; DA16.1 v1(109.25,158.12) ; Q22.2 v1(32.73,143.84) ; UW2.33 v1(187.05,144.96) ; CA13.1 v1(117.22,161.56) ; JL1.41 v1(147.45,160.78) ; RL34.1 v1(219.51,133.08) ; RA70.1 v1(33.91,145.41) ; D27.1 v1(22.1,105.22) ; J71.19 v1(106.05,58.46) ; CU25.1 v1(76.79,23.09) ; ESD47.1 v1(229.45,42.46) ; CE23.1 v1(85.47,153.98) ; v1(189.28,145.92) 189.28,146.63 188.98,146.93 UW2.36 ; J70.61 137.29,113.91 v1(137.67,113.54) ; v1(133.48,161.93) 133.18,162.22 ESD6.1 ; J71.110 v1(133.55,56.01) ; v1(216.69,46) 216.8,46 217.11,45.69 RU33.1 ; JL1.20 v1(152.95,153.67) ; JL7.23 93.07,7.5 v1(93.36,7.78) 93.57,7.57 JL7.24 ; v1(59.39,41.15) C407.1 ; ESD8.1 v1(143.35,165.07) ; JL5.42 v1(235.55,137.72) ; U8.9 45.55,109.9 v1(45.48,109.83) ; R1059.1 97.33,47.5 v1(96.88,47.04) Q40.2 ; RM52.1 v1(27.18,120.65) ; UM3.47 v1(40.15,119.98) ; v1(123.08,18.03) DH1.3 DH1.8 v1(123.08,15.51) ; J73.6 v1(54.56,21.81) ; v1(214.76,158.75) 214.27,159.23 JL4.47 ; C159.1 v1(50.72,110.55) ; ESD45.1 v1(229.52,39.7) ; ESD13.8 ESD13.3 v1(159.3,152.32) ; J70.106 v1(125.05,117.88) ; v1(209.88,38.71) CU20.1 ; CA98.1 26.65,145.41 v1(26.52,145.54) ; JC3.1 202.55,10.31 v1(202.69,10.44) ; JL1.32 v1(149.95,153.67) ; C438.1 v1(241.17,81.28) ; U53.48 v1(172.34,144.03) ; v1(120.22,143.84) 119.84,143.46 CA27.2 ; J18.26 v1(194.31,107.03) ; C465.2 v1(51.04,7.64) ; v1(14.73,111) 14.69,110.95 C160.1 ; JL1.14 v1(154.45,153.67) ; R106.2 14.69,113.71 v1(14.73,113.67) ; J71.165 v1(152.55,58.37) ; J71.72 v1(124.05,56.01) ; J18.35 v1(190.71,118.05) ; JL7.5 v1(84.07,7.75) ; CW37.1 v1(167.49,162.84) ; JL1.37 v1(148.45,160.78) ; v1(187.56,55.24) J58.A4 v1(187.56,52.38) ; v1(196.47,118.11) 196.31,117.95 J18.21 ; JL5.25 v1(221.4,137.16) ; C459.1 v1(38.99,125.91) ; YW3.4 v1(174.45,155.82) ; JL1.8 v1(155.95,153.67) ; v1(170.05,159) 170.62,158.43 U53.36 ; v1(48.11,145.41) 47.62,145.9 CA38.2 ; CP155.2 v1(20.74,134.07) ; ESD85.1 v1(49.25,32.09) ; ESD84.1 v1(49.3,36.31) ; CA25.1 v1(122.07,164.39) ; J18.34 v1(191.11,107.03) ; v1(30.68,145.39) 30.56,145.39 CA96.1 ; J73.7 v1(60.76,21.78) ; v1(141.76,110.21) 142.75,110.21 144.05,111.52 J70.49 ; ESD22.1 v1(214.67,151.16) ; ESD17.1 v1(203.54,166.12) ; v1(155.95,152.4) ESD14.8 ESD14.3 ; J70.136 112.55,118.08 112.25,117.78 v1(112.09,117.78) ; v1(87.26,9.03) D12.8 D12.3 v1(87.26,11.32) ; R122.2 v1(43.56,18.82) ; QM7.2 23.2,122.03 v1(22.77,122.47) ; JL1.13 v1(154.45,160.78) ; UW2.1 v1(187.76,155.32) ; ESD26.8 ESD26.3 v1(228.85,152.15) ; ESD12.3 ESD12.8 v1(152.52,152.4) ; ESD70.1 v1(124.47,165.37) ; QM9.2 v1(20.32,123.51) ; v1(228.83,137.19) 228.9,137.13 JL5.10 ; 147.55,56.11 J71.146 ; JL1.51 v1(144.95,160.78) ; v1(141.18,163.28) 140.64,163.28 140.33,163.59 CL13.2 ; JL2.41 v1(143.16,140.27) ; v1(109.05,56.01) J71.32 ; CA11.1 v1(128.43,164.39) ; J71.104 v1(132.05,56.01) ; J18.50 v1(184.71,107.03) ; J71.60 v1(116.05,56.01) ; J18.43 v1(187.51,118.05) ; J70.28 v1(149.55,121.16) ; D34.1 v1(16.38,111.57) ; CA161.2 121.72,140.04 CA162.2 v1(120.14,140.04) ; JL2.19 155.81,135.31 v1(155.6,135.1) ; RE45.1 84.92,143.95 84.62,144.25 v1(84.23,144.25) ; J71.87 v1(128.05,61.49) ; v1(174.62,145.8) 174.62,146.05 175.51,146.93 UW2.20 ; JL1.31 v1(149.95,160.78) ; v1(123.19,159.38) 123.39,159.59 CA1.1 ; CE24.1 RE27.1 96.14,147.61 YN1.4 96.48,147.33 v1(96.82,146.99) v1(97.69,146.99) v1(98.81,146.99) 99.11,147.29 v1(99.11,147.88) v1(99.11,148.69) v1(99.11,149.48) 98.44,150.15 YN1.2 98.23,151.23 v1(97.93,151.54) v1(96.82,151.54) 95.28,151.54 94.44,150.7 CE25.1 94.18,150.36 93.88,150.06 v1(93.88,149.94) ; J71.122 v1(141.55,56.01) ; J58.B4 v1(187.56,45.21) ; RE41.1 v1(96.14,141.41) ; RE52.1 v1(90.89,139.87) ; JL7.28 v1(95.57,7.75) 95.77,7.75 96.07,7.44 JL7.29 ; ESD72.1 v1(122.07,165.28) ; CP257.1 v1(19.16,82.6) ; CE18.2 v1(86.74,144.08) ; v1(154.76,117.88) 155.05,118.17 J70.6 ; J71.2 v1(101.55,56.01) ; v1(120.01,15.5) DH2.8 DH2.3 v1(120.01,18.03) ; RE50.1 96.61,144.46 RE49.1 ; ESD21.1 v1(212.47,165.48) ; CE19.1 v1(102.21,155.93) ; UU3.2 v1(224.47,36.82) ; CE26.1 v1(97.16,135.38) ; D36.1 v1(19.68,110.56) ; UW4.5 v1(181.9,119.25) ; v1(92.96,151.76) 93.52,152.32 RE10.1 ; v1(84.22,11.32) D13.3 D13.8 v1(84.22,9.03) ; ESD73.1 v1(118.14,165.28) ; UW2.3 v1(185.25,156.34) ; D9.1 v1(47.07,18.54) ; CA100.2 v1(33.02,145.41) ; J73.5 v1(59.66,24.04) ; JL2.22 v1(154.31,134.9) ; JL7.31 97.07,7.44 96.77,7.75 v1(96.57,7.75) JL7.30 ; R1020.1 R1023.1 ; YM1.4 v1(35.64,127.47) ; v1(208.53,138.43) 209.09,138.99 JL5.41 ; RW102.1 188.76,138.56 v1(189.87,138.56) ; v1(90.43,11.3) D11.8 D11.3 v1(90.43,9.02) ; CW56.1 v1(196.22,162.78) ; J71.99 v1(131.05,58.46) ; U53.16 v1(192.15,162.03) ; JL1.19 v1(152.95,160.78) ; CA14.1 v1(115.65,141.86) ; JL1.25 v1(151.45,160.78) ; U48.5 v1(64.14,128.52) ; CW35.1 v1(175.64,138.3) ; D4.1 v1(51,6.59) ; v1(87.66,152.17) 87.88,151.95 CE17.1 ; ESD16.1 205.25,165.5 v1(204.98,165.23) ; ESD83.1 v1(56.11,33.51) ; RA19.2 v1(122.68,153.31) ; v1(147.37,58.22) 147.05,58.53 J71.143 ; RA152.1 v1(113.74,153.54) ; CE15.1 v1(99.74,145.71) ; v1(192.91,118.24) 193.11,118.04 J18.29 ; RW77.1 v1(201.59,122.81) ; J71.36 v1(110.05,56.01) ; J71.81 v1(126.55,61.42) ; J71.180 v1(156.05,56.13) ; v1(30.12,144.27) 29.79,144.6 CA97.1 ; Q17.2 v1(14.1,120.72) ; J70.121 v1(116.05,112.36) ; RA151.1 v1(110.95,154.18) ; CE22.1 v1(88.14,153.98) ; CE21.1 v1(94.87,154.13) ; J70.50 v1(144.05,121.79) ; v1(99.77,135.41) 100.2,135.84 RE55.1 ; J71.120 v1(136.05,56.01) ; C460.1 v1(40.51,122.94) ; R960.2 v1(60.5,125.05) ; CP226.2 v1(82.7,82.22) ; R1003.1 v1(49.93,108.37) ; U53.34 v1(172.26,160.83) ; J71.1 v1(101.55,58.46) ; J70.180 v1(100.99,119.51) ; ESD48.1 v1(229.16,29.89) ; ESD141.1 v1(241.3,80.52) ; R1069.1 v1(5.33,127.03) ; JL5.16 v1(225.9,137.16) ; RE39.1 v1(99.19,135.38) ; v1(86.36,142.98) RE17.1 ; CA109.2 v1(48.13,144.85) ; C158.1 v1(45.53,112.99) ; JL7.2 v1(82.57,7.75) ; JL7.14 v1(88.57,7.75) ; D10.1 v1(43.56,17.91) ; J71.103 v1(132.05,58.46) ; RA26.1 v1(48.07,146.79) ; U53.56 v1(181.64,140.94) ; CA91.1 v1(25.19,145.41) ; R533.2 v1(115.27,128.22) ; U53.33 v1(172.26,162.03) ; YM1.2 v1(33.44,127.51)